# EAGLE board Mk4 Final a Panel score 2x5 (EAGLE 9.0.1), part 7 of 29
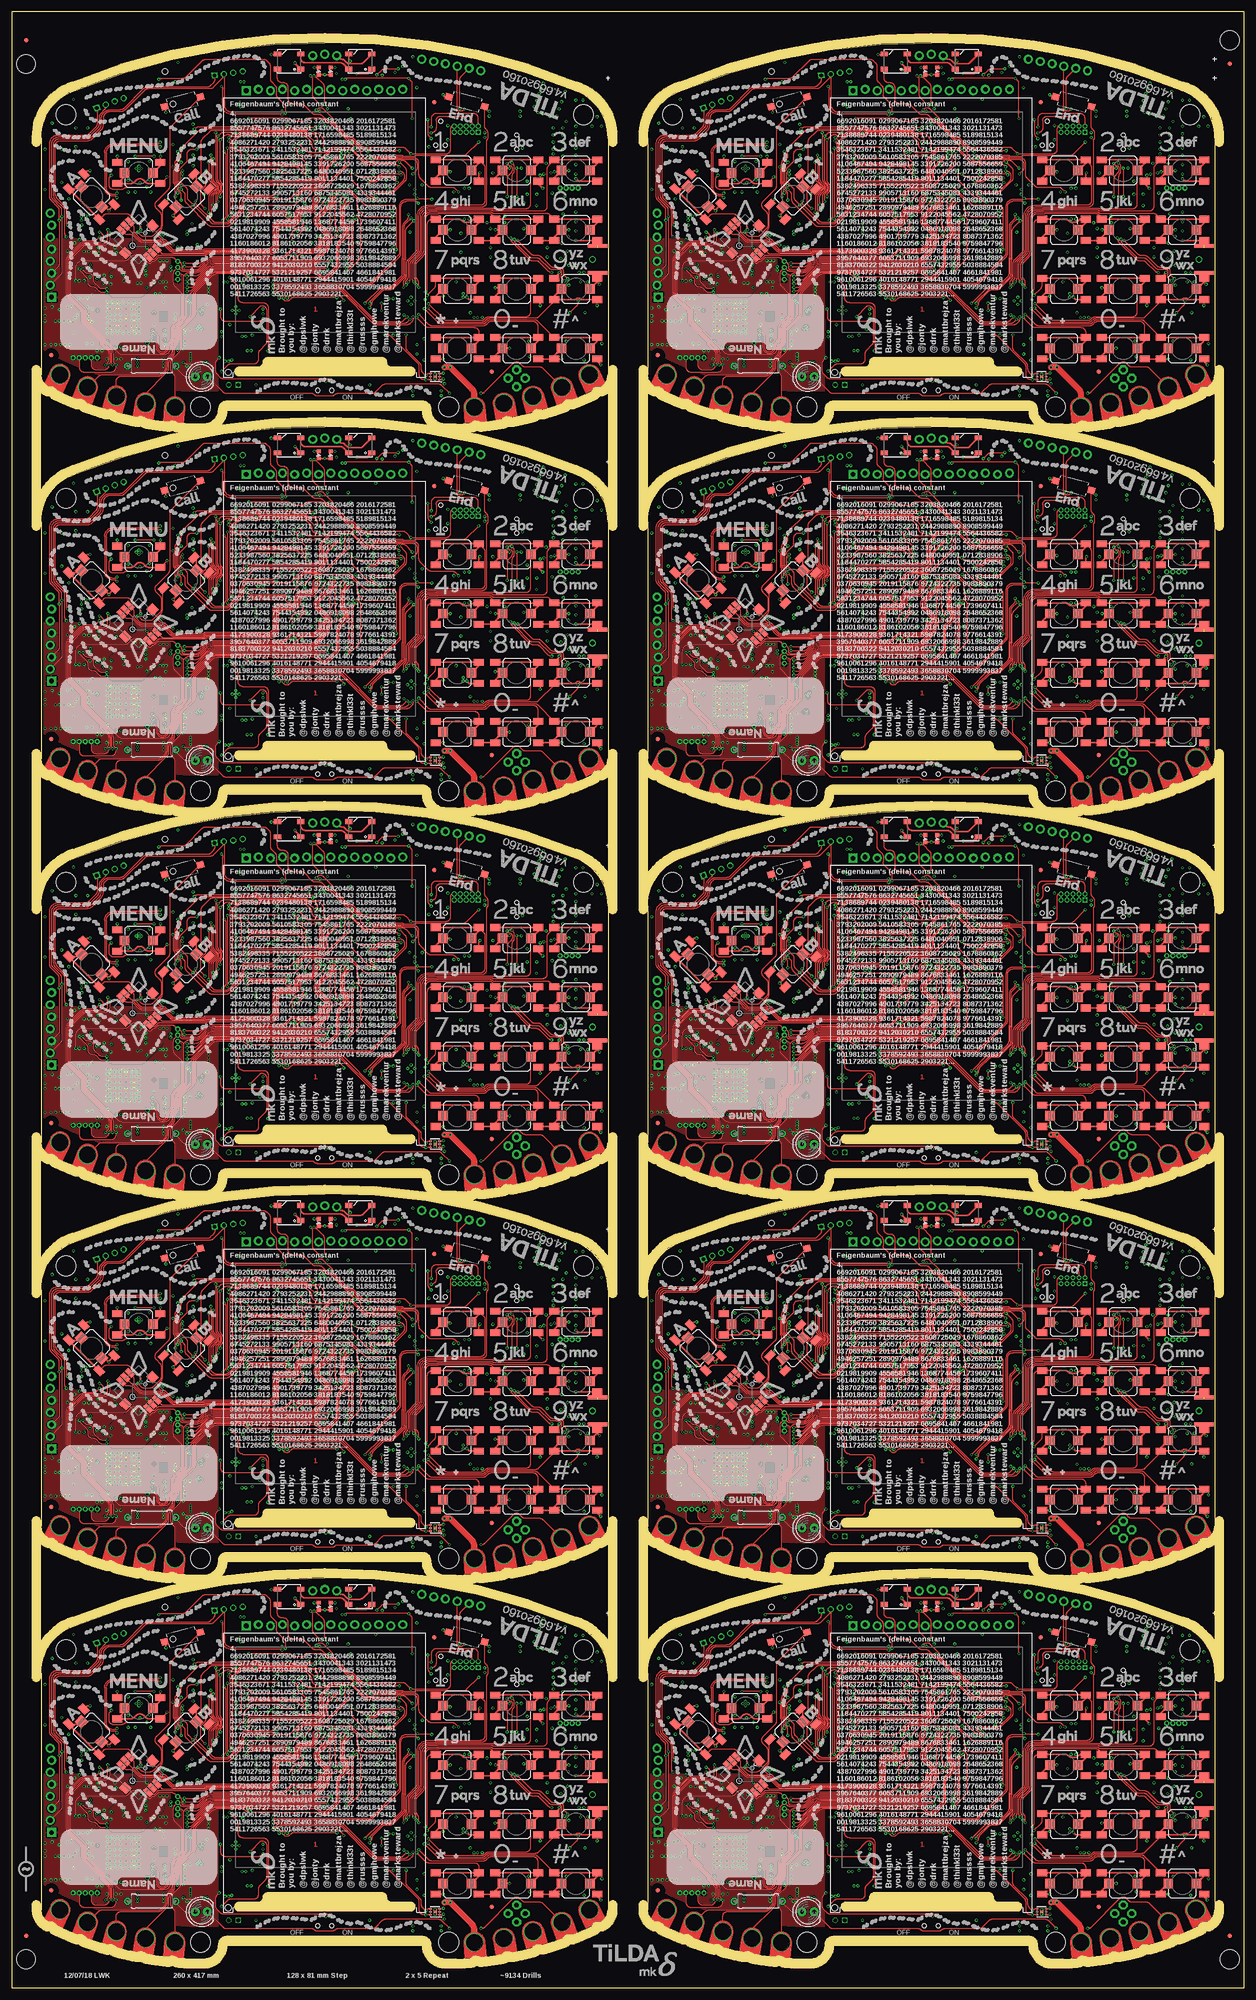
[diagram p0: board, top side]
## Nets (continued)
SPK_P9 [Audio]: C1029.1 C1031.1 C1033.1 C1034.1 C1048.2 IC165.11 R750.1
SPK_R_N: IC11.5 R45.2 R46.1
SPK_R_N1: IC26.5 R126.2 R127.1
SPK_R_N2: IC44.5 R204.2 R205.1
SPK_R_N3: IC62.5 R282.2 R283.1
SPK_R_N4: IC80.5 R360.2 R361.1
SPK_R_N5: IC98.5 R438.2 R439.1
SPK_R_N6: IC116.5 R516.2 R517.1
SPK_R_N7: IC134.5 R594.2 R595.1
SPK_R_N8: IC152.5 R672.2 R673.1
SPK_R_N9: IC170.5 R750.2 R751.1
SPK_R_P: IC11.6 R43.2 R50.1 R51.1
SPK_R_P1: IC26.6 R125.2 R128.1 R129.1
SPK_R_P2: IC44.6 R203.2 R206.1 R207.1
SPK_R_P3: IC62.6 R281.2 R284.1 R285.1
SPK_R_P4: IC80.6 R359.2 R362.1 R363.1
SPK_R_P5: IC98.6 R437.2 R440.1 R441.1
SPK_R_P6: IC116.6 R515.2 R518.1 R519.1
SPK_R_P7: IC134.6 R593.2 R596.1 R597.1
SPK_R_P8: IC152.6 R671.2 R674.1 R675.1
SPK_R_P9: IC170.6 R749.2 R752.1 R753.1
SSI0_LCD_CLK: IC1.35 J2.37
SSI0_LCD_CLK1: IC20.35 J6.37
SSI0_LCD_CLK2: IC38.35 J21.37
SSI0_LCD_CLK3: IC56.35 J31.37
SSI0_LCD_CLK4: IC74.35 J41.37
SSI0_LCD_CLK5: IC92.35 J51.37
SSI0_LCD_CLK6: IC110.35 J61.37
SSI0_LCD_CLK7: IC128.35 J71.37
SSI0_LCD_CLK8: IC146.35 J81.37
SSI0_LCD_CLK9: IC164.35 J91.37
SSI0_LCD_CS: IC1.36 J2.38
SSI0_LCD_CS1: IC20.36 J6.38
SSI0_LCD_CS2: IC38.36 J21.38
SSI0_LCD_CS3: IC56.36 J31.38
SSI0_LCD_CS4: IC74.36 J41.38
SSI0_LCD_CS5: IC92.36 J51.38
SSI0_LCD_CS6: IC110.36 J61.38
SSI0_LCD_CS7: IC128.36 J71.38
SSI0_LCD_CS8: IC146.36 J81.38
SSI0_LCD_CS9: IC164.36 J91.38
SSI0_LCD_MISO: IC1.38 J2.33
SSI0_LCD_MISO1: IC20.38 J6.33
SSI0_LCD_MISO2: IC38.38 J21.33
SSI0_LCD_MISO3: IC56.38 J31.33
SSI0_LCD_MISO4: IC74.38 J41.33
SSI0_LCD_MISO5: IC92.38 J51.33
SSI0_LCD_MISO6: IC110.38 J61.33
SSI0_LCD_MISO7: IC128.38 J71.33
SSI0_LCD_MISO8: IC146.38 J81.33
SSI0_LCD_MISO9: IC164.38 J91.33
SSI0_LCD_MOSI: IC1.37 J2.34
SSI0_LCD_MOSI1: IC20.37 J6.34
SSI0_LCD_MOSI2: IC38.37 J21.34
SSI0_LCD_MOSI3: IC56.37 J31.34
SSI0_LCD_MOSI4: IC74.37 J41.34
SSI0_LCD_MOSI5: IC92.37 J51.34
SSI0_LCD_MOSI6: IC110.37 J61.34
SSI0_LCD_MOSI7: IC128.37 J71.34
SSI0_LCD_MOSI8: IC146.37 J81.34
SSI0_LCD_MOSI9: IC164.37 J91.34
SSI2_CC_!CS: IC1.3 IC15.8
SSI2_CC_!CS1: IC20.3 IC29.8
SSI2_CC_!CS2: IC38.3 IC47.8
SSI2_CC_!CS3: IC56.3 IC65.8
SSI2_CC_!CS4: IC74.3 IC83.8
SSI2_CC_!CS5: IC92.3 IC101.8
SSI2_CC_!CS6: IC110.3 IC119.8
SSI2_CC_!CS7: IC128.3 IC137.8
SSI2_CC_!CS8: IC146.3 IC155.8
SSI2_CC_!CS9: IC164.3 IC173.8
SSI2_CC_CLK: IC1.4 IC15.5
SSI2_CC_CLK1: IC20.4 IC29.5
SSI2_CC_CLK2: IC38.4 IC47.5
SSI2_CC_CLK3: IC56.4 IC65.5
SSI2_CC_CLK4: IC74.4 IC83.5
SSI2_CC_CLK5: IC92.4 IC101.5
SSI2_CC_CLK6: IC110.4 IC119.5
SSI2_CC_CLK7: IC128.4 IC137.5
SSI2_CC_CLK8: IC146.4 IC155.5
SSI2_CC_CLK9: IC164.4 IC173.5
SSI2_CC_MISO: IC1.1 IC15.7 R71.1
SSI2_CC_MISO1: IC20.1 IC29.7 R149.1
SSI2_CC_MISO2: IC38.1 IC47.7 R227.1
SSI2_CC_MISO3: IC56.1 IC65.7 R305.1
SSI2_CC_MISO4: IC74.1 IC83.7 R383.1
SSI2_CC_MISO5: IC92.1 IC101.7 R461.1
SSI2_CC_MISO6: IC110.1 IC119.7 R539.1
SSI2_CC_MISO7: IC128.1 IC137.7 R617.1
SSI2_CC_MISO8: IC146.1 IC155.7 R695.1
SSI2_CC_MISO9: IC164.1 IC173.7 R773.1
SSI2_CC_MOSI: IC1.2 IC15.6
SSI2_CC_MOSI1: IC20.2 IC29.6
SSI2_CC_MOSI2: IC38.2 IC47.6
SSI2_CC_MOSI3: IC56.2 IC65.6
SSI2_CC_MOSI4: IC74.2 IC83.6
SSI2_CC_MOSI5: IC92.2 IC101.6
SSI2_CC_MOSI6: IC110.2 IC119.6
SSI2_CC_MOSI7: IC128.2 IC137.6
SSI2_CC_MOSI8: IC146.2 IC155.6
SSI2_CC_MOSI9: IC164.2 IC173.6
SSI3_CLK: IC1.5 IC6.6
SSI3_CLK1: IC20.5 IC22.6
SSI3_CLK2: IC38.5 IC40.6
SSI3_CLK3: IC56.5 IC58.6
SSI3_CLK4: IC74.5 IC76.6
SSI3_CLK5: IC92.5 IC94.6
SSI3_CLK6: IC110.5 IC112.6
SSI3_CLK7: IC128.5 IC130.6
SSI3_CLK8: IC146.5 IC148.6
SSI3_CLK9: IC164.5 IC166.6
SSI3_DAT0: IC1.11 IC6.5
SSI3_DAT1: IC1.27 IC6.2
SSI3_DAT2: IC20.27 IC22.2
SSI3_DAT3: IC20.11 IC22.5
SSI3_DAT4: IC38.27 IC40.2
SSI3_DAT5: IC38.11 IC40.5
SSI3_DAT6: IC56.27 IC58.2
SSI3_DAT7: IC56.11 IC58.5
SSI3_DAT8: IC74.27 IC76.2
SSI3_DAT9: IC74.11 IC76.5
SSI3_DAT10: IC92.27 IC94.2
SSI3_DAT11: IC92.11 IC94.5
SSI3_DAT12: IC110.27 IC112.2
SSI3_DAT13: IC110.11 IC112.5
SSI3_DAT14: IC128.27 IC130.2
SSI3_DAT15: IC128.11 IC130.5
SSI3_DAT16: IC146.27 IC148.2
SSI3_DAT17: IC146.11 IC148.5
SSI3_DAT18: IC164.27 IC166.2
SSI3_DAT19: IC164.11 IC166.5
SSI3_FSS: IC1.6 IC6.1
SSI3_FSS1: IC20.6 IC22.1
SSI3_FSS2: IC38.6 IC40.1
SSI3_FSS3: IC56.6 IC58.1
SSI3_FSS4: IC74.6 IC76.1
SSI3_FSS5: IC92.6 IC94.1
SSI3_FSS6: IC110.6 IC112.1
SSI3_FSS7: IC128.6 IC130.1
SSI3_FSS8: IC146.6 IC148.1
SSI3_FSS9: IC164.6 IC166.1
SW: IC9.6 L4.1
SW1: IC33.6 L11.1
SW2: IC51.6 L20.1
SW3: IC69.6 L29.1
SW4: IC87.6 L38.1
SW5: IC105.6 L47.1
SW6: IC123.6 L56.1
SW7: IC141.6 L65.1
SW8: IC159.6 L74.1
SW9: IC177.6 L83.1
SWCLK: IC1.100 J3.4 JP4.4
SWCLK1: IC20.100 J13.4 JP10.4
SWCLK2: IC38.100 J23.4 JP19.4
SWCLK3: IC56.100 J33.4 JP28.4
SWCLK4: IC74.100 J43.4 JP37.4
SWCLK5: IC92.100 J53.4 JP46.4
SWCLK6: IC110.100 J63.4 JP55.4
SWCLK7: IC128.100 J73.4 JP64.4
SWCLK8: IC146.100 J83.4 JP73.4
SWCLK9: IC164.100 J93.4 JP82.4
SWDIO: IC1.99 J3.2 JP4.2
SWDIO1: IC20.99 J13.2 JP10.2
SWDIO2: IC38.99 J23.2 JP19.2
SWDIO3: IC56.99 J33.2 JP28.2
SWDIO4: IC74.99 J43.2 JP37.2
SWDIO5: IC92.99 J53.2 JP46.2
SWDIO6: IC110.99 J63.2 JP55.2
SWDIO7: IC128.99 J73.2 JP64.2
SWDIO8: IC146.99 J83.2 JP73.2
SWDIO9: IC164.99 J93.2 JP82.2
SWO: IC1.97 J3.6 JP4.6
SWO1: IC20.97 J13.6 JP10.6
SWO2: IC38.97 J23.6 JP19.6
SWO3: IC56.97 J33.6 JP28.6
SWO4: IC74.97 J43.6 JP37.6
SWO5: IC92.97 J53.6 JP46.6
SWO6: IC110.97 J63.6 JP55.6
SWO7: IC128.97 J73.6 JP64.6
SWO8: IC146.97 J83.6 JP73.6
SWO9: IC164.97 J93.6 JP82.6
T3CCPO_WS1: IC20.125 LED7.4
T3CCPO_WS2: IC38.125 LED13.4
T3CCPO_WS3: IC56.125 LED19.4
T3CCPO_WS4: IC74.125 LED25.4
T3CCPO_WS5: IC92.125 LED31.4
T3CCPO_WS6: IC110.125 LED37.4
T3CCPO_WS7: IC128.125 LED43.4
T3CCPO_WS8: IC146.125 LED49.4
T3CCPO_WS9: IC164.125 LED55.4
T3CCPO_WS2812: IC1.125 LED1.4
T4CCP0: IC1.127 JP6.4 PCB.CH2
T4CCP1: IC1.128 JP6.5 PCB.CH1
T4CCP2: IC20.127 JP17.4 PCB1.CH2
T4CCP3: IC20.128 JP17.5 PCB1.CH1
T4CCP4: IC38.127 JP26.4 PCB2.CH2
T4CCP5: IC38.128 JP26.5 PCB2.CH1
T4CCP6: IC56.127 JP35.4 PCB3.CH2
T4CCP7: IC56.128 JP35.5 PCB3.CH1
T4CCP8: IC74.127 JP44.4 PCB4.CH2
T4CCP9: IC74.128 JP44.5 PCB4.CH1
T4CCP10: IC92.127 JP53.4 PCB5.CH2
T4CCP11: IC92.128 JP53.5 PCB5.CH1
T4CCP12: IC110.127 JP62.4 PCB6.CH2
T4CCP13: IC110.128 JP62.5 PCB6.CH1
T4CCP14: IC128.127 JP71.4 PCB7.CH2
T4CCP15: IC128.128 JP71.5 PCB7.CH1
T4CCP16: IC146.127 JP80.4 PCB8.CH2
T4CCP17: IC146.128 JP80.5 PCB8.CH1
T4CCP18: IC164.127 JP89.4 PCB9.CH2
T4CCP19: IC164.128 JP89.5 PCB9.CH1
TCA_!INT: IC1.15 IC4.22 R76.1
TCA_!INT1: IC20.15 IC31.22 R152.1
TCA_!INT2: IC38.15 IC49.22 R230.1
TCA_!INT3: IC56.15 IC67.22 R308.1
TCA_!INT4: IC74.15 IC85.22 R386.1
TCA_!INT5: IC92.15 IC103.22 R464.1
TCA_!INT6: IC110.15 IC121.22 R542.1
TCA_!INT7: IC128.15 IC139.22 R620.1
TCA_!INT8: IC146.15 IC157.22 R698.1
TCA_!INT9: IC164.15 IC175.22 R776.1
TPS_FB: C103.2 IC9.2 R60.2 R61.1
TPS_FB1: C211.2 IC33.2 R138.2 R139.1
TPS_FB2: C319.2 IC51.2 R216.2 R217.1
TPS_FB3: C427.2 IC69.2 R294.2 R295.1
TPS_FB4: C535.2 IC87.2 R372.2 R373.1
TPS_FB5: C643.2 IC105.2 R450.2 R451.1
TPS_FB6: C751.2 IC123.2 R528.2 R529.1
TPS_FB7: C859.2 IC141.2 R606.2 R607.1
TPS_FB8: C967.2 IC159.2 R684.2 R685.1
TPS_FB9: C1075.2 IC177.2 R762.2 R763.1
UART0_CON_RX: IC1.33 JP8.4
UART0_CON_RX1: IC20.33 JP18.4
UART0_CON_RX2: IC38.33 JP27.4
UART0_CON_RX3: IC56.33 JP36.4
UART0_CON_RX4: IC74.33 JP45.4
UART0_CON_RX5: IC92.33 JP54.4
UART0_CON_RX6: IC110.33 JP63.4
UART0_CON_RX7: IC128.33 JP72.4
UART0_CON_RX8: IC146.33 JP81.4
UART0_CON_RX9: IC164.33 JP90.4
UART0_CON_TX: IC1.34 JP8.5
UART0_CON_TX1: IC20.34 JP18.5
UART0_CON_TX2: IC38.34 JP27.5
UART0_CON_TX3: IC56.34 JP36.5
UART0_CON_TX4: IC74.34 JP45.5
UART0_CON_TX5: IC92.34 JP54.5
UART0_CON_TX6: IC110.34 JP63.5
UART0_CON_TX7: IC128.34 JP72.5
UART0_CON_TX8: IC146.34 JP81.5
UART0_CON_TX9: IC164.34 JP90.5
UART1_SIM_RX: IC1.118 R36.1 TP9.TP
UART1_SIM_RX1: IC20.118 R119.1 TP28.TP
UART1_SIM_RX2: IC38.118 R197.1 TP47.TP
UART1_SIM_RX3: IC56.118 R275.1 TP66.TP
UART1_SIM_RX4: IC74.118 R353.1 TP85.TP
UART1_SIM_RX5: IC92.118 R431.1 TP104.TP
UART1_SIM_RX6: IC110.118 R509.1 TP123.TP
UART1_SIM_RX7: IC128.118 R587.1 TP142.TP
UART1_SIM_RX8: IC146.118 R665.1 TP161.TP
UART1_SIM_RX9: IC164.118 R743.1 TP180.TP
UART1_SIM_TX: IC1.119 R37.1 TP8.TP
UART1_SIM_TX1: IC20.119 R120.1 TP27.TP
UART1_SIM_TX2: IC38.119 R198.1 TP46.TP
UART1_SIM_TX3: IC56.119 R276.1 TP65.TP
UART1_SIM_TX4: IC74.119 R354.1 TP84.TP
UART1_SIM_TX5: IC92.119 R432.1 TP103.TP
UART1_SIM_TX6: IC110.119 R510.1 TP122.TP
UART1_SIM_TX7: IC128.119 R588.1 TP141.TP
UART1_SIM_TX8: IC146.119 R666.1 TP160.TP
UART1_SIM_TX9: IC164.119 R744.1 TP179.TP
UART3_CC_RX: IC1.116 IC15.55 JP5.3 R68.1
UART3_CC_RX1: IC20.116 IC29.55 JP16.3 R146.1
UART3_CC_RX2: IC38.116 IC47.55 JP25.3 R224.1
UART3_CC_RX3: IC56.116 IC65.55 JP34.3 R302.1
UART3_CC_RX4: IC74.116 IC83.55 JP43.3 R380.1
UART3_CC_RX5: IC92.116 IC101.55 JP52.3 R458.1
UART3_CC_RX6: IC110.116 IC119.55 JP61.3 R536.1
UART3_CC_RX7: IC128.116 IC137.55 JP70.3 R614.1
UART3_CC_RX8: IC146.116 IC155.55 JP79.3 R692.1
UART3_CC_RX9: IC164.116 IC173.55 JP88.3 R770.1
UART3_CC_TX: IC1.117 IC15.57 JP5.2 R69.1
UART3_CC_TX1: IC20.117 IC29.57 JP16.2 R147.1
UART3_CC_TX2: IC38.117 IC47.57 JP25.2 R225.1
UART3_CC_TX3: IC56.117 IC65.57 JP34.2 R303.1
UART3_CC_TX4: IC74.117 IC83.57 JP43.2 R381.1
UART3_CC_TX5: IC92.117 IC101.57 JP52.2 R459.1
UART3_CC_TX6: IC110.117 IC119.57 JP61.2 R537.1
UART3_CC_TX7: IC128.117 IC137.57 JP70.2 R615.1
UART3_CC_TX8: IC146.117 IC155.57 JP79.2 R693.1
UART3_CC_TX9: IC164.117 IC173.57 JP88.2 R771.1
UART4_EXT_RX: IC1.18 J10.1 J10.5 JP6.3 PCB.CH3
UART4_EXT_RX1: IC20.18 J16.1 J16.5 JP17.3 PCB1.CH3
UART4_EXT_RX2: IC38.18 J26.1 J26.5 JP26.3 PCB2.CH3
UART4_EXT_RX3: IC56.18 J36.1 J36.5 JP35.3 PCB3.CH3
UART4_EXT_RX4: IC74.18 J46.1 J46.5 JP44.3 PCB4.CH3
UART4_EXT_RX5: IC92.18 J56.1 J56.5 JP53.3 PCB5.CH3
UART4_EXT_RX6: IC110.18 J66.1 J66.5 JP62.3 PCB6.CH3
UART4_EXT_RX7: IC128.18 J76.1 J76.5 JP71.3 PCB7.CH3
UART4_EXT_RX8: IC146.18 J86.1 J86.5 JP80.3 PCB8.CH3
UART4_EXT_RX9: IC164.18 J96.1 J96.5 JP89.3 PCB9.CH3
UART4_EXT_TX: IC1.19 J10.2 J10.6 JP6.2 PCB.CH4
UART4_EXT_TX1: IC20.19 J16.2 J16.6 JP17.2 PCB1.CH4
UART4_EXT_TX2: IC38.19 J26.2 J26.6 JP26.2 PCB2.CH4
UART4_EXT_TX3: IC56.19 J36.2 J36.6 JP35.2 PCB3.CH4
UART4_EXT_TX4: IC74.19 J46.2 J46.6 JP44.2 PCB4.CH4
UART4_EXT_TX5: IC92.19 J56.2 J56.6 JP53.2 PCB5.CH4
UART4_EXT_TX6: IC110.19 J66.2 J66.6 JP62.2 PCB6.CH4
UART4_EXT_TX7: IC128.19 J76.2 J76.6 JP71.2 PCB7.CH4
UART4_EXT_TX8: IC146.19 J86.2 J86.6 JP80.2 PCB8.CH4
UART4_EXT_TX9: IC164.19 J96.2 J96.6 JP89.2 PCB9.CH4
USB_D_N [90R Diff]: IC1.93 IC7.1 U1.D-
USB_D_N1 [90R Diff]: IC20.93 IC23.1 U2.D-
USB_D_N2 [90R Diff]: IC38.93 IC41.1 U7.D-
USB_D_N3 [90R Diff]: IC56.93 IC59.1 U10.D-
USB_D_N4 [90R Diff]: IC74.93 IC77.1 U13.D-
USB_D_N5 [90R Diff]: IC92.93 IC95.1 U16.D-
USB_D_N6 [90R Diff]: IC110.93 IC113.1 U19.D-
USB_D_N7 [90R Diff]: IC128.93 IC131.1 U22.D-
USB_D_N8 [90R Diff]: IC146.93 IC149.1 U25.D-
USB_D_N9 [90R Diff]: IC164.93 IC167.1 U28.D-
USB_D_P [90R Diff]: IC1.94 IC7.2 U1.D+
USB_D_P1 [90R Diff]: IC20.94 IC23.2 U2.D+
USB_D_P2 [90R Diff]: IC38.94 IC41.2 U7.D+
USB_D_P3 [90R Diff]: IC56.94 IC59.2 U10.D+
USB_D_P4 [90R Diff]: IC74.94 IC77.2 U13.D+
USB_D_P5 [90R Diff]: IC92.94 IC95.2 U16.D+
USB_D_P6 [90R Diff]: IC110.94 IC113.2 U19.D+
USB_D_P7 [90R Diff]: IC128.94 IC131.2 U22.D+
USB_D_P8 [90R Diff]: IC146.94 IC149.2 U25.D+
USB_D_P9 [90R Diff]: IC164.94 IC167.2 U28.D+
USB_ID: R8.2 TP6.TP
USB_ID1: R92.2 TP25.TP
USB_ID2: R170.2 TP44.TP
USB_ID3: R248.2 TP63.TP
USB_ID4: R326.2 TP82.TP
USB_ID5: R404.2 TP101.TP
USB_ID6: R482.2 TP120.TP
USB_ID7: R560.2 TP139.TP
USB_ID8: R638.2 TP158.TP
USB_ID9: R716.2 TP177.TP
USB_ID_R: IC7.4 R8.1 U1.ID
USB_ID_R1: IC23.4 R92.1 U2.ID
USB_ID_R2: IC41.4 R170.1 U7.ID
USB_ID_R3: IC59.4 R248.1 U10.ID
USB_ID_R4: IC77.4 R326.1 U13.ID
USB_ID_R5: IC95.4 R404.1 U16.ID
USB_ID_R6: IC113.4 R482.1 U19.ID
USB_ID_R7: IC131.4 R560.1 U22.ID
USB_ID_R8: IC149.4 R638.1 U25.ID
USB_ID_R9: IC167.4 R716.1 U28.ID
USB_SHIELD: C20.2 R7.1 U1.SHIELD U1.SHIELD@0 U1.SHIELD@1 U1.SHIELD@2 U1.SHIELD@3 U1.SHIELD@5
USB_SHIELD1: C130.2 R91.1 U2.SHIELD U2.SHIELD@0 U2.SHIELD@1 U2.SHIELD@2 U2.SHIELD@3 U2.SHIELD@5
USB_SHIELD2: C238.2 R169.1 U7.SHIELD U7.SHIELD@0 U7.SHIELD@1 U7.SHIELD@2 U7.SHIELD@3 U7.SHIELD@5
USB_SHIELD3: C346.2 R247.1 U10.SHIELD U10.SHIELD@0 U10.SHIELD@1 U10.SHIELD@2 U10.SHIELD@3 U10.SHIELD@5
USB_SHIELD4: C454.2 R325.1 U13.SHIELD U13.SHIELD@0 U13.SHIELD@1 U13.SHIELD@2 U13.SHIELD@3 U13.SHIELD@5
USB_SHIELD5: C562.2 R403.1 U16.SHIELD U16.SHIELD@0 U16.SHIELD@1 U16.SHIELD@2 U16.SHIELD@3 U16.SHIELD@5
USB_SHIELD6: C670.2 R481.1 U19.SHIELD U19.SHIELD@0 U19.SHIELD@1 U19.SHIELD@2 U19.SHIELD@3 U19.SHIELD@5
USB_SHIELD7: C778.2 R559.1 U22.SHIELD U22.SHIELD@0 U22.SHIELD@1 U22.SHIELD@2 U22.SHIELD@3 U22.SHIELD@5
USB_SHIELD8: C886.2 R637.1 U25.SHIELD U25.SHIELD@0 U25.SHIELD@1 U25.SHIELD@2 U25.SHIELD@3 U25.SHIELD@5
USB_SHIELD9: C994.2 R715.1 U28.SHIELD U28.SHIELD@0 U28.SHIELD@1 U28.SHIELD@2 U28.SHIELD@3 U28.SHIELD@5
V_UNREG: C40.1 IC8.15 IC8.16 L1.2 PCB.VBATT Q3.5 Q3.6 Q3.7 Q3.8 Q3.EP R13.2 R18.2 TP18.TP
V_UNREG1: C151.1 IC24.15 IC24.16 L12.2 PCB1.VBATT Q7.5 Q7.6 Q7.7 Q7.8 Q7.EP R96.2 R100.2 TP37.TP
V_UNREG2: C259.1 IC42.15 IC42.16 L21.2 PCB2.VBATT Q12.5 Q12.6 Q12.7 Q12.8 Q12.EP R174.2 R178.2 TP56.TP
V_UNREG3: C367.1 IC60.15 IC60.16 L30.2 PCB3.VBATT Q16.5 Q16.6 Q16.7 Q16.8 Q16.EP R252.2 R256.2 TP75.TP
V_UNREG4: C475.1 IC78.15 IC78.16 L39.2 PCB4.VBATT Q20.5 Q20.6 Q20.7 Q20.8 Q20.EP R330.2 R334.2 TP94.TP
V_UNREG5: C583.1 IC96.15 IC96.16 L48.2 PCB5.VBATT Q24.5 Q24.6 Q24.7 Q24.8 Q24.EP R408.2 R412.2 TP113.TP
V_UNREG6: C691.1 IC114.15 IC114.16 L57.2 PCB6.VBATT Q28.5 Q28.6 Q28.7 Q28.8 Q28.EP R486.2 R490.2 TP132.TP
V_UNREG7: C799.1 IC132.15 IC132.16 L66.2 PCB7.VBATT Q32.5 Q32.6 Q32.7 Q32.8 Q32.EP R564.2 R568.2 TP151.TP
V_UNREG8: C907.1 IC150.15 IC150.16 L75.2 PCB8.VBATT Q36.5 Q36.6 Q36.7 Q36.8 Q36.EP R642.2 R646.2 TP170.TP
V_UNREG9: C1015.1 IC168.15 IC168.16 L84.2 PCB9.VBATT Q40.5 Q40.6 Q40.7 Q40.8 Q40.EP R720.2 R724.2 TP189.TP
VBAT: C34.1 C35.1 IC8.13 IC8.14 J5.2 TP14.TP
VBAT1: C146.1 C147.1 IC24.13 IC24.14 J12.2 TP33.TP
VBAT2: C254.1 C255.1 IC42.13 IC42.14 J22.2 TP52.TP
VBAT3: C362.1 C363.1 IC60.13 IC60.14 J32.2 TP71.TP
VBAT4: C470.1 C471.1 IC78.13 IC78.14 J42.2 TP90.TP
VBAT5: C578.1 C579.1 IC96.13 IC96.14 J52.2 TP109.TP
VBAT6: C686.1 C687.1 IC114.13 IC114.14 J62.2 TP128.TP
VBAT7: C794.1 C795.1 IC132.13 IC132.14 J72.2 TP147.TP
VBAT8: C902.1 C903.1 IC150.13 IC150.14 J82.2 TP166.TP
VBAT9: C1010.1 C1011.1 IC168.13 IC168.14 J92.2 TP185.TP
VBATT: C1.1 C29.+ C30.2 C31.2 C32.+ C46.1 D1.C IC5.34 IC5.35 IC9.1 IC9.7 JP2.2 LED1.1 LED2.1 Q3.1 Q3.2 Q3.3 TP15.TP
VBATT1: C111.1 C139.+ C140.2 C141.2 C142.+ C144.1 D3.C IC21.34 IC21.35 IC33.1 IC33.7 JP11.2 LED7.1 LED8.1 Q7.1 Q7.2 Q7.3 TP34.TP
VBATT2: C219.1 C247.+ C248.2 C249.2 C250.+ C252.1 D5.C IC39.34 IC39.35 IC51.1 IC51.7 JP20.2 LED13.1 LED14.1 Q12.1 Q12.2 Q12.3 TP53.TP
VBATT3: C327.1 C355.+ C356.2 C357.2 C358.+ C360.1 D7.C IC57.34 IC57.35 IC69.1 IC69.7 JP29.2 LED19.1 LED20.1 Q16.1 Q16.2 Q16.3 TP72.TP
VBATT4: C435.1 C463.+ C464.2 C465.2 C466.+ C468.1 D9.C IC75.34 IC75.35 IC87.1 IC87.7 JP38.2 LED25.1 LED26.1 Q20.1 Q20.2 Q20.3 TP91.TP
VBATT5: C543.1 C571.+ C572.2 C573.2 C574.+ C576.1 D11.C IC93.34 IC93.35 IC105.1 IC105.7 JP47.2 LED31.1 LED32.1 Q24.1 Q24.2 Q24.3 TP110.TP
VBATT6: C651.1 C679.+ C680.2 C681.2 C682.+ C684.1 D13.C IC111.34 IC111.35 IC123.1 IC123.7 JP56.2 LED37.1 LED38.1 Q28.1 Q28.2 Q28.3 TP129.TP
VBATT7: C759.1 C787.+ C788.2 C789.2 C790.+ C792.1 D15.C IC129.34 IC129.35 IC141.1 IC141.7 JP65.2 LED43.1 LED44.1 Q32.1 Q32.2 Q32.3 TP148.TP
VBATT8: C867.1 C895.+ C896.2 C897.2 C898.+ C900.1 D17.C IC147.34 IC147.35 IC159.1 IC159.7 JP74.2 LED49.1 LED50.1 Q36.1 Q36.2 Q36.3 TP167.TP
VBATT9: C975.1 C1003.+ C1004.2 C1005.2 C1006.+ C1008.1 D19.C IC165.34 IC165.35 IC177.1 IC177.7 JP83.2 LED55.1 LED56.1 Q40.1 Q40.2 Q40.3 TP186.TP
VBUS: C41.1 IC1.96 IC7.5 IC8.1 IC8.24 L2.2 LED6.A TP7.TP
VBUS1: C152.1 IC20.96 IC23.5 IC24.1 IC24.24 L10.2 LED12.A TP26.TP
VBUS2: C260.1 IC38.96 IC41.5 IC42.1 IC42.24 L19.2 LED18.A TP45.TP
VBUS3: C368.1 IC56.96 IC59.5 IC60.1 IC60.24 L28.2 LED24.A TP64.TP
VBUS4: C476.1 IC74.96 IC77.5 IC78.1 IC78.24 L37.2 LED30.A TP83.TP
VBUS5: C584.1 IC92.96 IC95.5 IC96.1 IC96.24 L46.2 LED36.A TP102.TP
VBUS6: C692.1 IC110.96 IC113.5 IC114.1 IC114.24 L55.2 LED42.A TP121.TP
VBUS7: C800.1 IC128.96 IC131.5 IC132.1 IC132.24 L64.2 LED48.A TP140.TP
VBUS8: C908.1 IC146.96 IC149.5 IC150.1 IC150.24 L73.2 LED54.A TP159.TP
VBUS9: C1016.1 IC164.96 IC167.5 IC168.1 IC168.24 L82.2 LED60.A TP178.TP
VBUS_L: L2.1 U1.VBUS
VBUS_L1: L10.1 U2.VBUS
VBUS_L2: L19.1 U7.VBUS
VBUS_L3: L28.1 U10.VBUS
VBUS_L4: L37.1 U13.VBUS
VBUS_L5: L46.1 U16.VBUS
VBUS_L6: L55.1 U19.VBUS
VBUS_L7: L64.1 U22.VBUS
VBUS_L8: L73.1 U25.VBUS
VBUS_L9: L82.1 U28.VBUS
VDD_ANA: C44.1 C61.1 C62.1 C63.1 IC15.25 IC15.36 IC15.48 L7.1
VDD_ANA1: C188.1 C189.1 C190.1 C191.1 IC29.25 IC29.36 IC29.48 L16.1
VDD_ANA2: C296.1 C297.1 C298.1 C299.1 IC47.25 IC47.36 IC47.48 L25.1
VDD_ANA3: C404.1 C405.1 C406.1 C407.1 IC65.25 IC65.36 IC65.48 L34.1
VDD_ANA4: C512.1 C513.1 C514.1 C515.1 IC83.25 IC83.36 IC83.48 L43.1
VDD_ANA5: C620.1 C621.1 C622.1 C623.1 IC101.25 IC101.36 IC101.48 L52.1
VDD_ANA6: C728.1 C729.1 C730.1 C731.1 IC119.25 IC119.36 IC119.48 L61.1
VDD_ANA7: C836.1 C837.1 C838.1 C839.1 IC137.25 IC137.36 IC137.48 L70.1
VDD_ANA8: C944.1 C945.1 C946.1 C947.1 IC155.25 IC155.36 IC155.48 L79.1
VDD_ANA9: C1052.1 C1053.1 C1054.1 C1055.1 IC173.25 IC173.36 IC173.48 L88.1
VDD_DIG_CC: C87.1 C96.1 C97.1 IC15.9 IC15.56 L9.1
VDD_DIG_CC1: C195.1 C204.1 C205.1 IC29.9 IC29.56 L18.1
VDD_DIG_CC2: C303.1 C312.1 C313.1 IC47.9 IC47.56 L27.1
VDD_DIG_CC3: C411.1 C420.1 C421.1 IC65.9 IC65.56 L36.1
VDD_DIG_CC4: C519.1 C528.1 C529.1 IC83.9 IC83.56 L45.1
VDD_DIG_CC5: C627.1 C636.1 C637.1 IC101.9 IC101.56 L54.1
VDD_DIG_CC6: C735.1 C744.1 C745.1 IC119.9 IC119.56 L63.1
VDD_DIG_CC7: C843.1 C852.1 C853.1 IC137.9 IC137.56 L72.1
VDD_DIG_CC8: C951.1 C960.1 C961.1 IC155.9 IC155.56 L81.1
VDD_DIG_CC9: C1059.1 C1068.1 C1069.1 IC173.9 IC173.56 L90.1
VDD_EXT: IC5.40 R29.1
VDD_EXT1: IC21.40 R111.1
VDD_EXT2: IC39.40 R189.1
VDD_EXT3: IC57.40 R267.1
VDD_EXT4: IC75.40 R345.1
VDD_EXT5: IC93.40 R423.1
VDD_EXT6: IC111.40 R501.1
VDD_EXT7: IC129.40 R579.1
VDD_EXT8: IC147.40 R657.1
VDD_EXT9: IC165.40 R735.1
VDD_PA: C84.1 C85.1 C86.1 IC15.33 IC15.42
VDD_PA1: C192.1 C193.1 C194.1 IC29.33 IC29.42
VDD_PA2: C300.1 C301.1 C302.1 IC47.33 IC47.42
VDD_PA3: C408.1 C409.1 C410.1 IC65.33 IC65.42
VDD_PA4: C516.1 C517.1 C518.1 IC83.33 IC83.42
VDD_PA5: C624.1 C625.1 C626.1 IC101.33 IC101.42
VDD_PA6: C732.1 C733.1 C734.1 IC119.33 IC119.42
VDD_PA7: C840.1 C841.1 C842.1 IC137.33 IC137.42
VDD_PA8: C948.1 C949.1 C950.1 IC155.33 IC155.42
VDD_PA9: C1056.1 C1057.1 C1058.1 IC173.33 IC173.42
VDD_PLL: C94.1 IC15.24
VDD_PLL1: C202.1 IC29.24
VDD_PLL2: C310.1 IC47.24
VDD_PLL3: C418.1 IC65.24
VDD_PLL4: C526.1 IC83.24
VDD_PLL5: C634.1 IC101.24
VDD_PLL6: C742.1 IC119.24
VDD_PLL7: C850.1 IC137.24
VDD_PLL8: C958.1 IC155.24
VDD_PLL9: C1066.1 IC173.24
VDD_RAM: C95.1 IC15.49
VDD_RAM1: C203.1 IC29.49
VDD_RAM2: C311.1 IC47.49
VDD_RAM3: C419.1 IC65.49
VDD_RAM4: C527.1 IC83.49
VDD_RAM5: C635.1 IC101.49
VDD_RAM6: C743.1 IC119.49
VDD_RAM7: C851.1 IC137.49
VDD_RAM8: C959.1 IC155.49
VDD_RAM9: C1067.1 IC173.49
VDDC: C6.2 C7.2 C8.2 IC1.87 IC1.115
VDDC1: C116.2 C117.2 C118.2 IC20.87 IC20.115
VDDC2: C224.2 C225.2 C226.2 IC38.87 IC38.115
VDDC3: C332.2 C333.2 C334.2 IC56.87 IC56.115
VDDC4: C440.2 C441.2 C442.2 IC74.87 IC74.115
VDDC5: C548.2 C549.2 C550.2 IC92.87 IC92.115
VDDC6: C656.2 C657.2 C658.2 IC110.87 IC110.115
VDDC7: C764.2 C765.2 C766.2 IC128.87 IC128.115
VDDC8: C872.2 C873.2 C874.2 IC146.87 IC146.115
VDDC9: C980.2 C981.2 C982.2 IC164.87 IC164.115
WFIF_ANT_L [50R Single]: ANT1.1 C77.2 L6.2
WFIF_ANT_L1 [50R Single]: ANT3.1 C178.2 L15.2
WFIF_ANT_L2 [50R Single]: ANT5.1 C286.2 L24.2
WFIF_ANT_L3 [50R Single]: ANT7.1 C394.2 L33.2
WFIF_ANT_L4 [50R Single]: ANT9.1 C502.2 L42.2
WFIF_ANT_L5 [50R Single]: ANT11.1 C610.2 L51.2
WFIF_ANT_L6 [50R Single]: ANT13.1 C718.2 L60.2
WFIF_ANT_L7 [50R Single]: ANT15.1 C826.2 L69.2
WFIF_ANT_L8 [50R Single]: ANT17.1 C934.2 L78.2
WFIF_ANT_L9 [50R Single]: ANT19.1 C1042.2 L87.2
WIFI_ANT [50R Single]: C76.2 FL1.OUT L6.1
WIFI_ANT1 [50R Single]: C177.2 FL2.OUT L15.1
WIFI_ANT2 [50R Single]: C285.2 FL3.OUT L24.1
WIFI_ANT3 [50R Single]: C393.2 FL4.OUT L33.1
WIFI_ANT4 [50R Single]: C501.2 FL5.OUT L42.1
WIFI_ANT5 [50R Single]: C609.2 FL6.OUT L51.1
WIFI_ANT6 [50R Single]: C717.2 FL7.OUT L60.1
WIFI_ANT7 [50R Single]: C825.2 FL8.OUT L69.1
WIFI_ANT8 [50R Single]: C933.2 FL9.OUT L78.1
WIFI_ANT9 [50R Single]: C1041.2 FL10.OUT L87.1
WIFI_ANT_F [50R Single]: FL1.IN IC15.31
WIFI_ANT_F1 [50R Single]: FL2.IN IC29.31
WIFI_ANT_F2 [50R Single]: FL3.IN IC47.31
WIFI_ANT_F3 [50R Single]: FL4.IN IC65.31
WIFI_ANT_F4 [50R Single]: FL5.IN IC83.31
WIFI_ANT_F5 [50R Single]: FL6.IN IC101.31
WIFI_ANT_F6 [50R Single]: FL7.IN IC119.31
WIFI_ANT_F7 [50R Single]: FL8.IN IC137.31
WIFI_ANT_F8 [50R Single]: FL9.IN IC155.31
WIFI_ANT_F9 [50R Single]: FL10.IN IC173.31
WS2812_OUT: JP2.3 LED2.2
WS2812_OUT1: JP11.3 LED8.2
WS2812_OUT2: JP20.3 LED14.2
WS2812_OUT3: JP29.3 LED20.2
WS2812_OUT4: JP38.3 LED26.2
WS2812_OUT5: JP47.3 LED32.2
WS2812_OUT6: JP56.3 LED38.2
WS2812_OUT7: JP65.3 LED44.2
WS2812_OUT8: JP74.3 LED50.2
WS2812_OUT9: JP83.3 LED56.2
WS28212_1: LED1.2 LED2.4
WS28212_2: LED7.2 LED8.4
WS28212_3: LED13.2 LED14.4
WS28212_4: LED19.2 LED20.4
WS28212_5: LED25.2 LED26.4
WS28212_6: LED31.2 LED32.4
WS28212_7: LED37.2 LED38.4
WS28212_8: LED43.2 LED44.4
WS28212_9: LED49.2 LED50.4
WS28212_10: LED55.2 LED56.4
XOSC0: C18.2 IC1.66 X1.P$1
XOSC1: C19.2 IC1.67 X1.P$2
XOSC2: C128.2 IC20.66 X5.P$1
XOSC3: C129.2 IC20.67 X5.P$2
XOSC4: C236.2 IC38.66 X9.P$1
XOSC5: C237.2 IC38.67 X9.P$2
XOSC6: C344.2 IC56.66 X13.P$1
XOSC7: C345.2 IC56.67 X13.P$2
XOSC8: C452.2 IC74.66 X17.P$1
XOSC9: C453.2 IC74.67 X17.P$2
XOSC10: C560.2 IC92.66 X21.P$1
XOSC11: C561.2 IC92.67 X21.P$2
XOSC12: C668.2 IC110.66 X25.P$1
XOSC13: C669.2 IC110.67 X25.P$2
XOSC14: C776.2 IC128.66 X29.P$1
XOSC15: C777.2 IC128.67 X29.P$2
XOSC16: C884.2 IC146.66 X33.P$1
XOSC17: C885.2 IC146.67 X33.P$2
XOSC18: C992.2 IC164.66 X37.P$1
XOSC19: C993.2 IC164.67 X37.P$2

## Tracks (layer width: path | path; a pad name or v marks a point on that pad's centre or on a via)
3V1  (via drill 0.3)
  Top 0.2: IC34.1 218.69,15.35 arc45 v219.05,15.5
  Top 0.3: SW2.COM 157.58,42.17 v156.5,43.25
  Bottom 0.15: v208.5,24.75 C210.1 208,25.5 arc-90 207.5,26 207.5,26.16 arc-90 IC32.5
  Bottom 0.2: IC20.9 197,49.75 C123.2 | IC20.8 197.4,52.19 arc-45 197.55,52.55 v197.75,52.75 197.8,52.7 IC20.7 | IC20.16 194.2,50.01 arc45 194.35,49.65 C122.2 v194.5,48.75 | IC20.47 185.46,58.4 arc45 C120.2 | IC20.113 202.14,58.8 arc45 202.84,59.09 C119.2 | IC20.79 193.4,67.44 arc45 193.11,68.14 C121.2 | IC20.69 189.4,65.86 arc-45 v189.25,65.5 189.15,65.6 arc-45 189,65.96 IC20.68 | 154.75,33.28 IC29.47 | IC20.90 197.8,65.55 v197.75,65.5 | IC20.51 v185,60 185.11,60.11 arc-45 185.81,60.4 IC20.52 | IC20.39 v187.5,55.2 | IC20.28 189.4,50.35 arc90 v189.75,50 arc90 190.2,50.45 IC20.26 | R93.1 v201.5,51.5 | IC20.122 200.62,55.2 arc-45 v200.5,55.25 | v219.05,15.5 C212.1 | IC20.101 202.95,63.6 v203.1,63.45 | R106.2 v206.75,53 | R105.2 207.07,55.32 arc-45 v207.5,55.5 | R144.1 142.5,45.5 arc-45 v142.25,44.9
  Bottom 0.25: J6.41 186.25,44 | J6.40 186.75,43.29 arc45 186.6,43.65 186.25,44 | J6.42 185.75,43.29 arc-45 185.9,43.65 186.25,44 | J6.35 v189.25,41.5 | J6.1 v206.25,41.5 | J6.8 v202.75,44 | J6.7 203.25,43.5 v202.75,44 | J6.9 202.25,43.5 v202.75,44 | C123.2 197.25,48.12 C124.2 197.5,47.62 v197.5,46.75 | v184,58.1 C120.2 | v204.25,59.75 C119.2 | v193,69 C121.2 | R88.2 v193,72 | R89.2 v184,66.25 | C197.1 154.16,34.5 arc45 153.46,34.21 arc45 153.25,33.71 IC29.44 | IC29.39 150.75,35.55 C198.1 | IC29.37 149.75,35.35 C196.1 | C199.1 v150,22.25 150.46,22.71 arc45 150.75,23.41 IC29.10 | C200.1 v158,29.5 157.9,29.6 arc45 157.54,29.75 IC29.54 | IC31.21 C131.2 | v208,36.3 R152.2 | JP12.8 196.35,77.71 arc45 196.5,78.06 C113.2 | IC28.6 155.12,57.02 v155.05,56.95 C185.1
  Bottom 0.3: 155.22,33.75 154.75,33.28 | R151.2 v143.25,36.25 | JP10.1 219.63,68.63 v220,69 | IC27.14 228.81,65.44 R134.2 C172.2 v227.75,66.5 | IC22.8 203.35,52.15 C112.2 v203.25,53 | R94.1 v212,46.5 | C138.2 176.43,48.25 IC19.27 176.33,48.25 v175.25,48.25 | v166.25,60.5 arc-45 165.77,60.3 IC19.43 163.8,60.3 C134.2 | v166.25,65 166.15,65.1 IC19.49 163.85,65.1 C137.2 | v175.25,67.5 IC19.3 C132.2 | v175.25,69.25 175.4,69.1 IC19.1 177.65,69.1 C136.2 | v175.25,62.75 175.3,62.7 IC19.9 177.7,62.7 C133.2 | v175.25,58.75 175.3,58.7 IC19.14 177.7,58.7 C135.2 | C153.2 v160,40.5 | C153.2 160.75,41 v160.75,40.5 | C153.2 159.25,41 v159.25,40.5 | v213,55.5 R128.2 | C211.1 R138.1 | R104.2 R103.2 v179.3,54.75 | C196.1 v148.85,35.5 | C114.2 202.89,74.61 JP12.11 | v214.6,56.45 C171.2 214.03,56.73 IC26.8 | J16.7 J16.3 | J18.7 J18.3 | IC35.5 C215.1 v212.6,13
  Bottom 0.4: 155.22,33.75 156.19,33.75 arc45 156.89,34.04 C201.1 157.6,35.39 arc-45 157.75,35.75 v158,36 | v155.25,35.75 155.25,35.66 arc-45 154.96,34.96 154.7,34.7 C197.1 154.5,34.7 v154.5,35.75 | C198.1 151.1,35.7 v151.65,36.25 | v160.25,25.75 R146.2 | v160.25,23.75 R147.2 | v150,42.15 150.5,42.15 arc90 151.5,43.15 C186.2 151.5,43.53 arc45 151.21,44.24 IC30.8 | R145.2 v146.25,43.25 | v208.5,32.5 C131.2 | v162.95,21.6 R138.1 | C154.2 v154.5,19 | C154.2 155,19.75 v154.5,19.75 | C154.2 155,18.25 v154.5,18.25 | IC36.1 221.05,16 C216.1 219.96,16 arc45 219.26,15.71 v219.05,15.5 | TP35.TP 167.55,27.95 v167.55,26.65